# KiCad board AOML_AB_3.0_reorganized-v2.kicad_pcb
title: XBT Autolauncher 3.0; rev: 1; company: NOAA/AOML; note: Christian Saiz
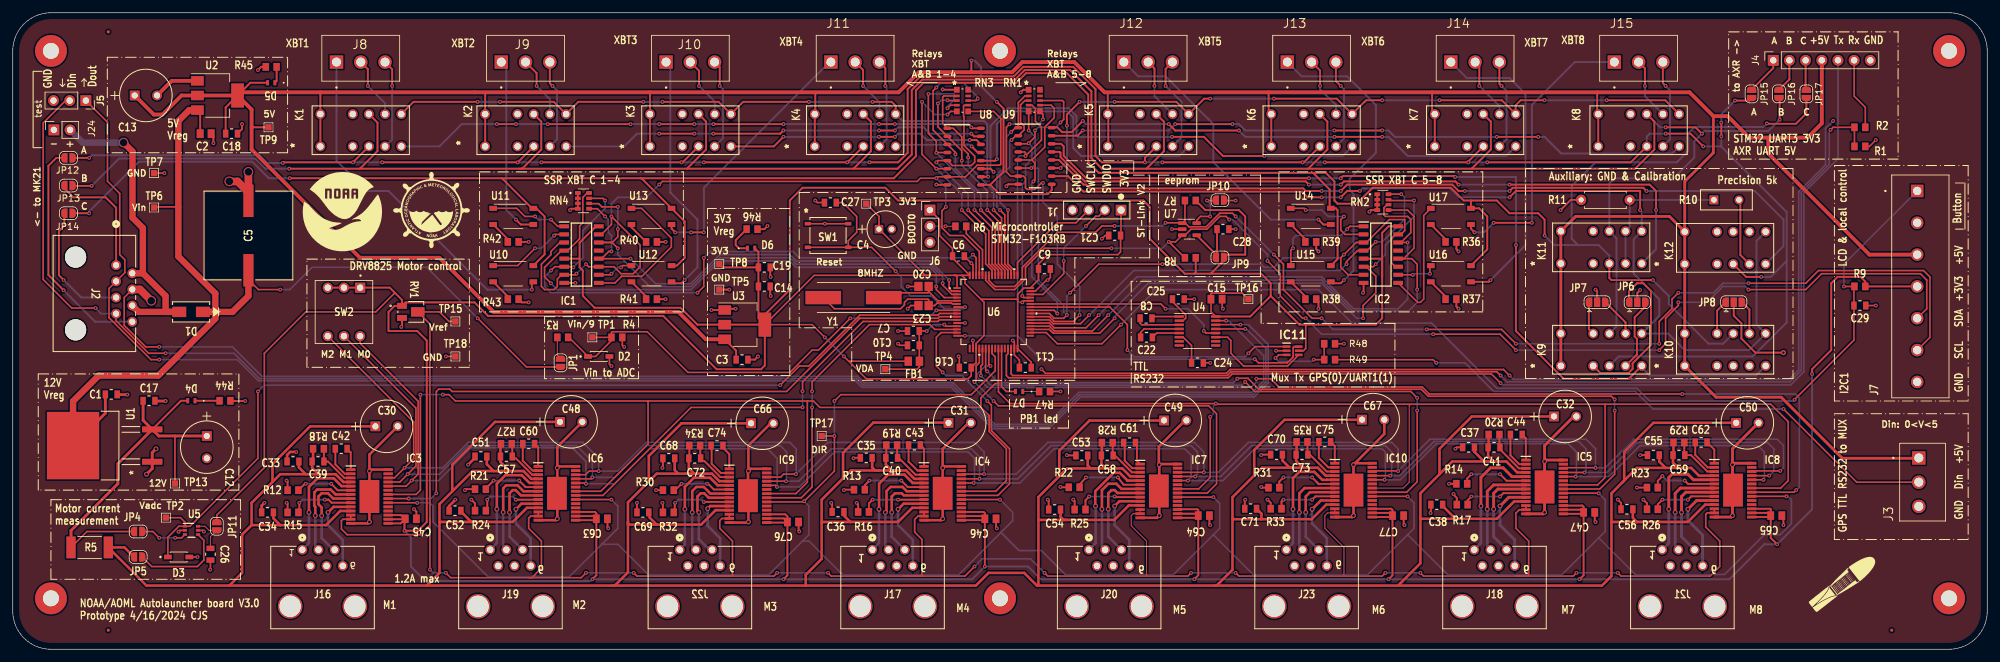
[diagram p0: board, top side]
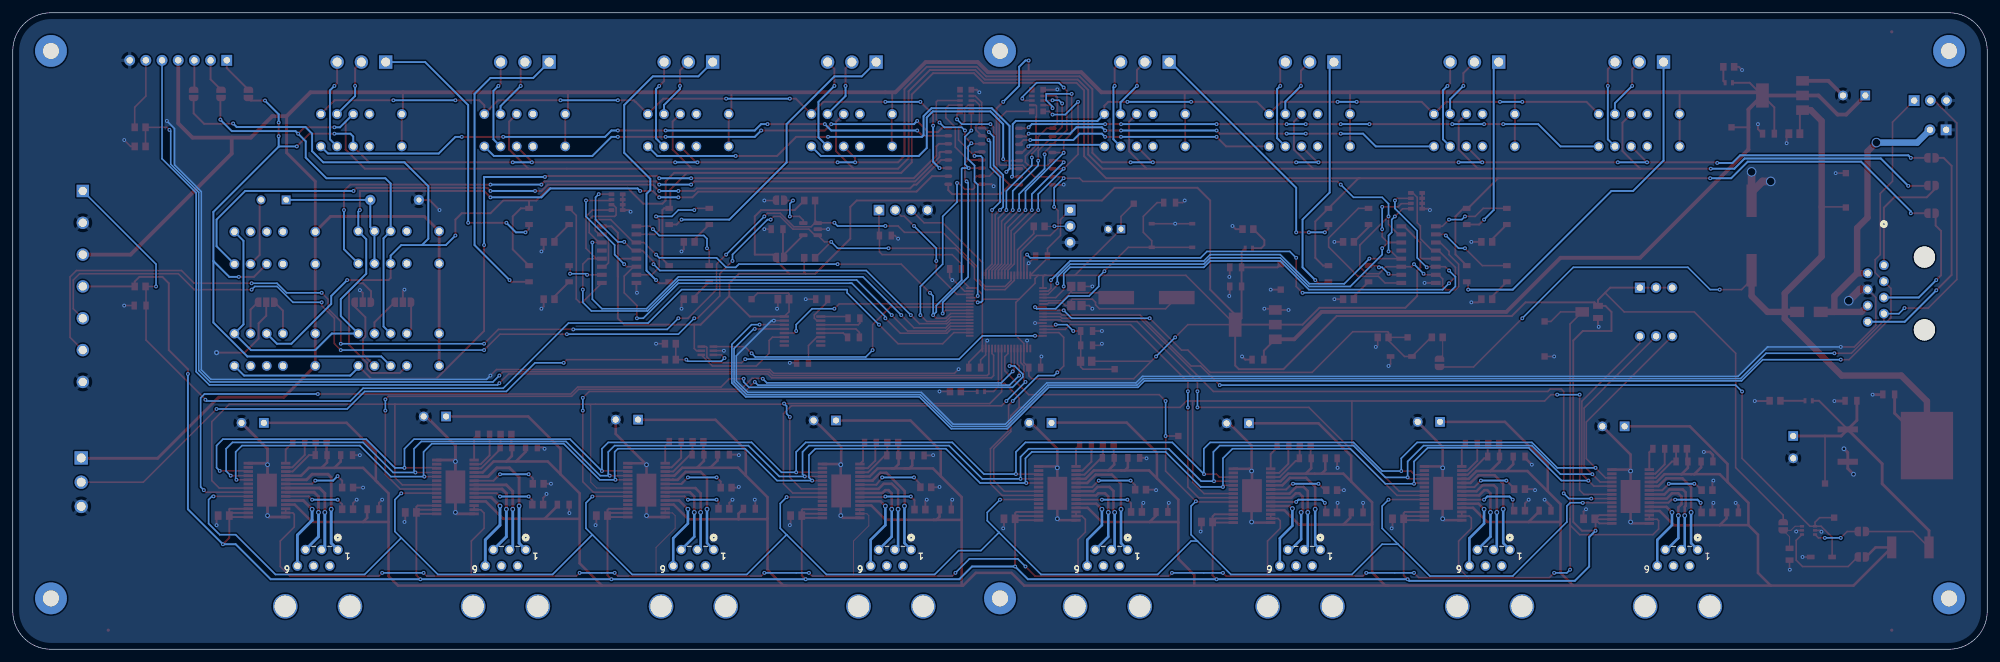
[diagram p1: board, bottom side, seen from below]

Outline 310 x 100 mm; copper layers: Top, Bottom. Coordinates in mm from the lower left corner of the outline.
Outline path: 0,94 arc(1.76,98.24) 6,100 304,100 arc(308.24,98.24) 310,94 310,6 arc(308.24,1.76) 304,0 6,0 arc(1.76,1.76) 0,6 0,94
Stack: Top 0.035mm / dielectric 1.51mm FR4 er 4.5 / Bottom 0.035mm

## Placement (name value [footprint] x y rotation side)
C1  0.33u  [CAP_CL21_SAM]  15.47 40.04 0 top
C2  0.22u  [CAPC2012X135N]  30.29 81 0 top
C3  1u  [CAP_CL21_SAM]  114.5 45.5 0 top
C4  10u  [CAP_WCAP-ATG5_05.0X11.0_WRE]  136 66 0 top
C5  1000u  [CAP_EEV_H13_PAN]  37 65 90 top
C6  0.1u  [CAP_CL21_SAM]  148.47 61.75 0 top
C7  0.1u  [CAP_CL21_SAM]  141.4 50 180 top
C8  0.1u  [CAP_CL21_SAM]  177.93 52 180 top
C9  0.1u  [CAP_CL21_SAM]  161.97 59.75 0 top
C10  1u  [CAP_CL21_SAM]  141.4 47.75 180 top
C11  0.1u  [CAP_CL21_SAM]  158.97 44.25 180 top
C12  100u  [PCAP_8x112_PAN]  30.47 33.51 270 top
C13  100u  [PCAP_8x112_PAN]  19.15 87 0 top
C14  1u  [CAP_CL21_SAM]  118 57 0 top
C15  0.47u  [CAP_CL_21_SAM]  189 55 0 top
C16  0.1u  [CAP_CL21_SAM]  149.55 44.25 180 top
C17  0.1u  [CAP_CL21_SAM]  21.4 39.04 0 top
C18  0.1u  [CAP_CL21_SAM]  34.36 81 0 top
C19  0.1u  [CAP_CL21_SAM]  118 60 0 top
C20  20p  [CAPC220145_88N_KEM]  143 57 180 top
C21  0.1u  [CAP_CL21_SAM]  173 65 180 top
C22  0.1u  [CAP_CL21_SAM]  178 49 0 top
C23  20p  [CAPC220145_88N_KEM]  143 54 180 top
C24  0.1u  [CAP_CL21_SAM]  186 45 0 top
C25  0.1u  [CAP_CL21_SAM]  183 55 0 top
C26  0.1u  [CAP_CL21_SAM]  31.04 14.93 270 top
C27  0.1u  [CAP_CL21_SAM]  128.37 70.17 0 top
C28  0.1u  [CAP_CL21_SAM]  190 66 0 top
C29  0.1u  [CAP_CL21_SAM]  290 54 0 top
C30  100u  [PCAP_8x112_PAN]  56.93 35.03 0 top
C31  100u  [PCAP_8x112_PAN]  146.91 35.57 0 top
C32  100u  [PCAP_8x112_PAN]  241.98 36.57 0 top
C33  0.1u  [CAP_CL21_SAM]  44 29.5 0 top
C34  0.1u  [CAP_CL21_SAM]  40 21.5 0 top
C35  0.1u  [CAP_CL21_SAM]  134 30.07 0 top
C36  0.1u  [CAP_CL21_SAM]  129.57 21.57 0 top
C37  0.1u  [CAP_CL21_SAM]  228.56 31.72 0 top
C38  0.1u  [CAP_CL21_SAM]  223.57 22.72 0 top
C39  0.1u  [CAP_CL21_SAM]  47.93 29.5 0 top
C40  0.1u  [CAP_CL21_SAM]  138 30.07 0 top
C41  0.1u  [CAP_CL21_SAM]  232.56 31.72 0 top
C42  0.01u  [CAP_CL21_SAM]  51.57 31.5 0 top
C43  0.01u  [CAP_CL21_SAM]  141.57 32.07 0 top
C44  0.01u  [CAP_CL21_SAM]  236.06 33.72 0 top
C45  0.47u  [CAP_CL_21_SAM]  62.5 20.5 180 top
C46  0.47u  [CAP_CL_21_SAM]  153.5 20.5 180 top
C47  0.47u  [CAP_CL_21_SAM]  247.5 21.5 180 top
C48  100u  [PCAP_8x112_PAN]  85.91 35.72 0 top
C49  100u  [PCAP_8x112_PAN]  180.76 35.95 0 top
C50  100u  [PCAP_8x112_PAN]  270.58 35.57 0 top
C51  0.1u  [CAP_CL21_SAM]  73.5 30.28 0 top
C52  0.1u  [CAP_CL21_SAM]  69.43 21.78 0 top
C53  0.1u  [CAP_CL21_SAM]  167.84 30.45 0 top
C54  0.1u  [CAP_CL21_SAM]  163.57 21.95 0 top
C55  0.1u  [CAP_CL21_SAM]  257.58 30.5 0 top
C56  0.1u  [CAP_CL21_SAM]  253.43 22 0 top
C57  0.1u  [CAP_CL21_SAM]  77.5 30.28 0 top
C58  0.1u  [CAP_CL21_SAM]  171.84 30.45 0 top
C59  0.1u  [CAP_CL21_SAM]  261.58 30.5 0 top
C60  0.01u  [CAP_CL21_SAM]  81 32.28 0 top
C61  0.01u  [CAP_CL21_SAM]  175.34 32.45 0 top
C62  0.01u  [CAP_CL21_SAM]  265.08 32.5 0 top
C63  0.47u  [CAP_CL_21_SAM]  92.5 20.5 180 top
C64  0.47u  [CAP_CL_21_SAM]  187 21 180 top
C65  0.47u  [CAP_CL_21_SAM]  276.88 21 180 top
C66  100u  [PCAP_8x112_PAN]  115.91 35.5 0 top
C67  100u  [PCAP_8x112_PAN]  211.83 36.07 0 top
C68  0.1u  [CAP_CL21_SAM]  103 30 0 top
C69  0.1u  [CAP_CL21_SAM]  98.93 21.5 0 top
C70  0.1u  [CAP_CL21_SAM]  198.41 30.57 0 top
C71  0.1u  [CAP_CL21_SAM]  194.35 22.07 0 top
C72  0.1u  [CAP_CL21_SAM]  107.07 30 0 top
C73  0.1u  [CAP_CL21_SAM]  202.41 30.57 0 top
C74  0.01u  [CAP_CL21_SAM]  110.57 32 0 top
C75  0.01u  [CAP_CL21_SAM]  205.99 32.57 0 top
C76  0.47u  [CAP_CL_21_SAM]  122.5 20 180 top
C77  0.47u  [CAP_CL_21_SAM]  217.5 21 180 top
D1  B340AE-13  [CR_SMA_320-340AE_DIO]  28 53 180 top
D2  3.3V  [SOD3715X135N]  92 46 0 top
D3  3.3V  [SOD3715X135N]  26.04 14.5 0 top
D4  green-led  [LED_B1911PG--20D000514U1930_HVK]  28.04 39.04 180 top
D5  green-led  [LED_B1911PG--20D000514U1930_HVK]  40.58 89 180 top
D6  green-led  [LED_B1911PG--20D000514U1930_HVK]  115.93 63 0 top
D7  green-led  [LED_B1911PG--20D000514U1930_HVK]  158 40.5 180 top
FB1  100  [IND_25_0805_FRT]  141.47 45.25 0 top
fid1  -  [Fiducial_0.5mm_Mask1mm]  15 3 0 top
fid2  -  [Fiducial_0.5mm_Mask1mm]  15 97 0 top
fid3  -  [Fiducial_0.5mm_Mask1mm]  295 3 0 top
G***  LOGO  [AOML_logo]  65.75 69 0 top
G***#2  LOGO  [xbt]  287.45 9.74 180 top
G***#3  LOGO  [NOAA_logo]  51.75 68.75 0 top
H1  MountingHole  [MountingHole_2.5mm_Pad]  6 94 0 top
H2  MountingHole  [MountingHole_2.5mm_Pad]  155 94 0 top
H3  MountingHole  [MountingHole_2.5mm_Pad]  6 8 0 top
H4  MountingHole  [MountingHole_2.5mm_Pad]  155 8 0 top
H5  MountingHole  [MountingHole_2.5mm_Pad]  304 94 0 top
H6  MountingHole  [MountingHole_2.5mm_Pad]  304 8 0 top
IC1  CD4043BDR  [SOIC127P600X175-16N]  89.29 62 0 top
IC2  CD4043BDR  [SOIC127P600X175-16N]  214.8 62 0 top
IC3  DRV8825PWPR  [SOP65P640X120-29N]  56 24 0 top
IC4  DRV8825PWPR  [SOP65P640X120-29N]  146 24.5 0 top
IC5  DRV8825PWPR  [SOP65P640X120-29N]  240.5 25.5 0 top
IC6  DRV8825PWPR  [SOP65P640X120-29N]  85.44 24.5 0 top
IC7  DRV8825PWPR  [SOP65P640X120-29N]  179.94 24.88 0 top
IC8  DRV8825PWPR  [SOP65P640X120-29N]  270.08 25 0 top
IC9  DRV8825PWPR  [SOP65P640X120-29N]  115.44 24.13 0 top
IC10  DRV8825PWPR  [SOP65P640X120-29N]  210.5 25 0 top
IC11  SN74LVC1G3157DCKR  [SOT65P210X110-6N]  200.95 46.9 0 top
J1  Conn_01x04  [CONN_61300411121_WRE]  174 69 180 top
J2  216550-1  [CONN_216550-1_TEC]  16.23 60.34 270 top
J3  Conn_01x03  [CUI_TBP02R2-381-03BE]  299.25 30.06 270 top
J4  Conn_01x07  [PinSocket_1x07_P2.54mm_Vertical]  276.4 92.53 90 top
J5  Conn_01x03  [PinSocket_1x03_P2.54mm_Vertical]  11.48 86.2 270 top
J6  Conn_01x03  [PinHeader_1x03_P2.54mm_Vertical]  144 69 0 top
J7  Screw_Terminal_01x07  [CUI_TB001-500-07BE]  299 72 270 top
J8  Conn_01x03  [CUI_TBP02R2-381-03BE]  50.83 92.25 0 top
J9  Conn_01x03  [CUI_TBP02R2-381-03BE]  76.7 92.25 0 top
J10  Conn_01x03  [CUI_TBP02R2-381-03BE]  102.57 92.25 0 top
J11  Conn_01x03  [CUI_TBP02R2-381-03BE]  128.45 92.25 0 top
J12  Conn_01x03  [CUI_TBP02R2-381-03BE]  174.45 92.25 0 top
J13  Conn_01x03  [CUI_TBP02R2-381-03BE]  200.12 92.25 0 top
J14  Conn_01x03  [CUI_TBP02R2-381-03BE]  225.78 92.25 0 top
J15  Conn_01x03  [CUI_TBP02R2-381-03BE]  251.45 92.25 0 top
J16  216548-1  [CONN_216548-1_TYC]  45.46 15.64 0 bottom
J17  216548-1  [CONN_216548-1_TYC]  134.96 15.64 0 bottom
J18  216548-1  [CONN_216548-1_TYC]  229.46 15.64 0 bottom
J19  216548-1  [CONN_216548-1_TYC]  74.96 15.64 0 bottom
J20  216548-1  [CONN_216548-1_TYC]  168.96 15.64 0 bottom
J21  216548-1  [CONN_216548-1_TYC]  258.96 15.64 0 bottom
J22  216548-1  [CONN_216548-1_TYC]  104.71 15.64 0 bottom
J23  216548-1  [CONN_216548-1_TYC]  199.96 15.64 0 bottom
J24  Conn_01x02  [PinSocket_1x02_P2.54mm_Vertical]  6.46 81.6 90 top
JP1  SolderJumper_2_Open  [SolderJumper-2_P1.3mm_Open_RoundedPad1.0x1.5mm]  86 45 270 top
JP4  SolderJumper_2_Open  [SolderJumper-2_P1.3mm_Open_RoundedPad1.0x1.5mm]  19.69 18.5 0 top
JP5  SolderJumper_2_Open  [SolderJumper-2_P1.3mm_Open_RoundedPad1.0x1.5mm]  19.69 14.5 0 top
JP6  SolderJumper_3_Open  [SolderJumper-3_P1.3mm_Open_RoundedPad1.0x1.5mm]  255.05 54.52 0 top
JP7  SolderJumper_3_Open  [SolderJumper-3_P1.3mm_Open_RoundedPad1.0x1.5mm]  248.75 54.52 0 top
JP8  SolderJumper_3_Open  [SolderJumper-3_P1.3mm_Open_RoundedPad1.0x1.5mm]  270.2 54.52 0 top
JP9  SolderJumper_2_Open  [SolderJumper-2_P1.3mm_Open_RoundedPad1.0x1.5mm]  189.53 61.55 0 top
JP10  SolderJumper_2_Open  [SolderJumper-2_P1.3mm_Open_RoundedPad1.0x1.5mm]  189.53 70.55 0 top
JP11  SolderJumper_2_Open  [SolderJumper-2_P1.3mm_Open_RoundedPad1.0x1.5mm]  32.04 19.33 270 top
JP12  SolderJumper_2_Open  [SolderJumper-2_P1.3mm_Open_RoundedPad1.0x1.5mm]  8.75 77.2 0 top
JP13  SolderJumper_2_Open  [SolderJumper-2_P1.3mm_Open_RoundedPad1.0x1.5mm]  8.75 72.85 0 top
JP14  SolderJumper_2_Open  [SolderJumper-2_P1.3mm_Open_RoundedPad1.0x1.5mm]  8.75 68.5 0 top
JP15  SolderJumper_2_Open  [SolderJumper-2_P1.3mm_Open_RoundedPad1.0x1.5mm]  273 87.25 270 top
JP16  SolderJumper_2_Open  [SolderJumper-2_P1.3mm_Open_RoundedPad1.0x1.5mm]  277.3 87.25 270 top
JP17  SolderJumper_2_Open  [SolderJumper-2_P1.3mm_Open_RoundedPad1.0x1.5mm]  281.6 87.25 270 top
K1  TX2-L2-5V  [RELAY_TX2_L2_PAN]  48.3 79 90 top
K2  TX2-L2-5V  [RELAY_TX2_L2_PAN]  74.17 79 90 top
K3  TX2-L2-5V  [RELAY_TX2_L2_PAN]  100.05 79 90 top
K4  TX2-L2-5V  [RELAY_TX2_L2_PAN]  125.92 79 90 top
K5  TX2-L2-5V  [RELAY_TX2_L2_PAN]  171.92 79 90 top
K6  TX2-L2-5V  [RELAY_TX2_L2_PAN]  197.59 79 90 top
K7  TX2-L2-5V  [RELAY_TX2_L2_PAN]  223.26 79 90 top
K8  TX2-L2-5V  [RELAY_TX2_L2_PAN]  248.92 79 90 top
K9  TX2-L2-5V  [RELAY_TX2_L2_PAN]  243.05 44.52 90 top
K10  TX2-L2-5V  [RELAY_TX2_L2_PAN]  262.5 44.52 90 top
K11  TX2-L2-5V  [RELAY_TX2_L2_PAN]  243.05 60.6 90 top
K12  TX2-L2-5V  [RELAY_TX2_L2_PAN]  262.5 60.52 90 top
R1  6.8k  [RC0805N_YAG]  290 79 0 top
R2  3.3k  [RC0805N_YAG]  290 82 0 top
R3  47k  [RC0805N_YAG]  86.35 49 180 top
R4  5.1k  [RC0805N_YAG]  94.85 49 0 top
R5  0.1  [RESC6331X89N]  12.07 16 180 top
R6  10k  [RC0805N_YAG]  148.85 66.44 0 top
R7  4.7k  [RC0805N_YAG]  184.88 70.5 180 top
R8  4.7k  [RC0805N_YAG]  184.88 61.5 180 top
R9  10k  [RC0805N_YAG]  290 57 0 top
R10  5k  [Y1453_VIS]  267.08 70.6 0 top
R11  15k  [R_Axial_DIN0207_L6.3mm_D2.5mm_P7.62mm_Horizontal]  246.24 70.6 0 top
R12  1  [RC0805N_YAG]  44 25 0 top
R13  1  [RC0805N_YAG]  132.93 25.07 0 top
R14  1  [RC0805N_YAG]  227.5 26 0 top
R15  1  [RC0805N_YAG]  44 21.5 0 top
R16  1  [RC0805N_YAG]  133.57 21.57 0 top
R17  1  [RC0805N_YAG]  227.57 22.72 0 top
R18  1M  [RC0805N_YAG]  48 31.5 180 top
R19  1M  [RC0805N_YAG]  138 32.07 180 top
R20  1M  [RC0805N_YAG]  232.56 33.72 180 top
R21  1  [RC0805N_YAG]  73.43 25.16 0 top
R22  1  [RC0805N_YAG]  166.65 25.45 0 top
R23  1  [RC0805N_YAG]  257.43 25.4 0 top
R24  1  [RC0805N_YAG]  73.43 21.78 0 top
R25  1  [RC0805N_YAG]  167.57 21.95 0 top
R26  1  [RC0805N_YAG]  257.43 22 0 top
R27  1M  [RC0805N_YAG]  77.5 32.28 180 top
R28  1M  [RC0805N_YAG]  171.84 32.45 180 top
R29  1M  [RC0805N_YAG]  261.58 32.5 180 top
R30  1  [RC0805N_YAG]  102.93 25 0 top
R31  1  [RC0805N_YAG]  198 25.39 0 top
R32  1  [RC0805N_YAG]  102.93 21.5 0 top
R33  1  [RC0805N_YAG]  198.35 22.07 0 top
R34  1M  [RC0805N_YAG]  107.07 32 180 top
R35  1M  [RC0805N_YAG]  202.41 32.57 180 top
R36  330  [RC0805N_YAG]  225.8 64 0 top
R37  330  [RC0805N_YAG]  225.8 55 0 top
R38  330  [RC0805N_YAG]  203.79 55 0 top
R39  330  [RC0805N_YAG]  203.79 64 0 top
R40  330  [RC0805N_YAG]  100.29 64 0 top
R41  330  [RC0805N_YAG]  100.29 55 0 top
R42  330  [RC0805N_YAG]  78.58 64 0 top
R43  330  [RC0805N_YAG]  78.58 55 0 top
R44  2k  [RC0805N_YAG]  33.32 39.04 180 top
R45  560  [RC0805N_YAG]  40.58 91.5 0 top
R46  220  [RC0805N_YAG]  116.08 66 180 top
R47  220  [RC0805N_YAG]  162 40.5 180 top
R48  6.8k  [RC0805N_YAG]  206.75 48 0 top
R49  3.3k  [RC0805N_YAG]  206.75 45.5 0 top
RN1  10k  [SMT_JR-0710KL_YAG]  160.39 86.2 0 top
RN2  10k  [RESCAXS80P320X160X70-8N]  215.12 70.24 0 top
RN3  10k  [SMT_JR-0710KL_YAG]  149.11 86.2 0 top
RN4  10k  [RESCAXS80P320X160X70-8N]  89.61 70.44 0 top
RV1  10k  [POT_TC33_3X3P8_BRN]  62.5 53 270 top
SW1  TS02-66-70-BK-160-LCR-D  [SMT_FS]  128 65 0 top
SW2  SW_DIP_x03  [SW_DS01C-254-L-03BE]  52 53 180 top
TP1  Vin-adc  [TestPoint_Pad_1.0x1.0mm]  91 49 0 top
TP2  MotorCurrent-adc  [TestPoint_Pad_1.0x1.0mm]  24.04 20.68 0 top
TP3  D3V3  [TestPoint_Pad_1.0x1.0mm]  134 70 0 top
TP4  A3V3  [TestPoint_Pad_1.0x1.0mm]  137 44 0 top
TP5  GND  [TestPoint_Pad_1.0x1.0mm]  110.93 56.5 0 top
TP6  Vin  [TestPoint_Pad_1.0x1.0mm]  22.2 69.4 0 top
TP7  GND  [TestPoint_Pad_1.0x1.0mm]  22.2 74.8 0 top
TP8  3V3  [TestPoint_Pad_1.0x1.0mm]  110.93 60.5 0 top
TP9  5V  [TestPoint_Pad_1.0x1.0mm]  40.15 82 0 top
TP13  12V  [TestPoint_Pad_1.0x1.0mm]  25.47 26.04 0 top
TP15  Vref  [TestPoint_Pad_1.0x1.0mm]  69.5 51.5 0 top
TP16  3V3  [TestPoint_Pad_1.0x1.0mm]  194 55 0 top
TP17  DIR  [TestPoint_Pad_1.0x1.0mm]  127 33.5 0 top
TP18  GND  [TestPoint_Pad_1.0x1.0mm]  69.5 46 0 top
U1  L7812ABD2T-TR  [DPAK_BD2T-TR_STM]  12.05 32 90 top
U2  LM7805MPX  [SOT-223-3_TabPin2]  32.15 87 0 top
U3  MCP1825ST-3302E/DB  [SOT-223-3_TabPin2]  114.93 51 0 top
U4  MAX3232  [TSSOP-16_4.4x5mm_P0.65mm]  186 50 0 top
U5  INA213AIDCKR  [DCK0006A_L]  28.06 18.68 0 top
U6  STM32F103RBTx  [LQFP64-10x10mm]  154 53 0 top
U7  AT24C01D-STUM-T  [SOT-23-5]  184.74 66 0 top
U8  ULN2003ADR  [D0016A_L]  149.38 77.41 0 top
U9  ULN2003ADR  [D0016A_L]  160.5 77.5 0 top
U10  TLP170AM  [MFSOP6-4_4.4x3.6mm_P1.27mm]  78.58 59 0 top
U11  TLP170AM  [MFSOP6-4_4.4x3.6mm_P1.27mm]  78.58 68 0 top
U12  TLP170AM  [MFSOP6-4_4.4x3.6mm_P1.27mm]  100.29 59 0 top
U13  TLP170AM  [MFSOP6-4_4.4x3.6mm_P1.27mm]  100.29 68 0 top
U14  TLP170AM  [MFSOP6-4_4.4x3.6mm_P1.27mm]  203.79 68 0 top
U15  TLP170AM  [MFSOP6-4_4.4x3.6mm_P1.27mm]  203.8 59 0 top
U16  TLP170AM  [MFSOP6-4_4.4x3.6mm_P1.27mm]  225.8 59 0 top
U17  TLP170AM  [MFSOP6-4_4.4x3.6mm_P1.27mm]  225.8 68 0 top
Y1  8MHz  [XTAL_ABLS-8.000MHz-20-B-3-H-T]  132 55.25 180 top

## Library data of the parts
C1 = -: Description: Unpolarized capacitor; Cost: 0.1; Digikey: https://www.digikey.com/en/products/detail/samsung-electro-mechanics/CL21B334KBFNNNE/3886781; Part: CL21B334KBFNNNE
C2 = -: Description: Unpolarized capacitor; Cost: 0.1; Digikey: https://www.digikey.com/en/products/detail/samsung-electro-mechanics/CL21B224KBFNNNE/3886751; Part: CL21B224KBFNNNE
C3 C10 C14 = -: Description: Unpolarized capacitor; Cost: 0.11; Digikey: https://www.digikey.com/en/products/detail/samsung-electro-mechanics/CL21B105KBFNNNE/3886687; Part: CL21B105KBFNNNE
C4 = -: Description: Polarized capacitor; Cost: 0.1; Digikey: https://www.digikey.com/en/products/detail/w%C3%BCrth-elektronik/860020572003/5727172; Part: 860020572003
C5 = -: Description: Polarized capacitor; Cost: 1.23; Digikey: https://www.digikey.com/en/products/detail/panasonic-electronic-components/EEV-FK1E102Q/396274; Part: EEV-FK1E102Q
C6-C9 C11 C16-C19 C21 C22 C24-C29 = -: Description: Unpolarized capacitor; Cost: 0.1; Digikey: https://www.digikey.com/en/products/detail/samsung-electro-mechanics/CL21B104KBCNNNC/3886661; Part: CL21B104KBCNNNC
C12 C13 C30-C32 C48-C50 C66 C67 = -: Description: Polarized capacitor; Cost: 0.39; Digikey: https://www.digikey.com/en/products/detail/panasonic-electronic-components/ECA-1HM101/245041; Part: ECA-1HM101
C15 = -: Description: Unpolarized capacitor; Cost: 0.1; Digikey: https://www.digikey.com/en/products/detail/samsung-electro-mechanics/CL21B474KBFNNNG/3894539; Part: CL21B474KBFNNNG
C20 C23 = -: Description: Unpolarized capacitor; Cost: 0.27; Digikey: https://www.digikey.com/en/products/detail/kemet/C0805C200J5GAC7800/2212144; Part: C0805C200J5GAC7800
C33-C41 C51-C59 C68-C73 = -: Description: Unpolarized capacitor, small symbol; Cost: 0.1; Digikey: https://www.digikey.com/en/products/detail/samsung-electro-mechanics/CL21B104KBCNNNC/3886661; Part: CL21B104KBCNNNC
C42-C44 C60-C62 C74 C75 = -: Description: Unpolarized capacitor, small symbol; Cost: 0.1; Digikey: https://www.digikey.com/en/products/detail/samsung-electro-mechanics/CL21B103KBANNNC/3886673; Part: CL21B103KBANNNC
C45-C47 C63-C65 C76 C77 = -: Description: Unpolarized capacitor, small symbol; Cost: 0.1; Digikey: https://www.digikey.com/en/products/detail/samsung-electro-mechanics/CL21B474KBFNNNG/3894539; Part: CL21B474KBFNNNG
D1 = -: Description: 30V 3A Schottky Barrier Rectifier Diode, DO-201AD; Cost: 0.37; Digikey: https://www.digikey.com/en/products/detail/diodes-incorporated/B340AE-13/7352831
D2 D3 = -: Description: Zener diode; Cost: 0.21; Digikey: https://www.digikey.com/en/products/detail/diodes-incorporated/BZT52C3V3-7-F/717734; Part: BZT52C3V3-7-F
D4-D7 = -: Description: Light emitting diode, small symbol; Cost: 0.1; Digikey: https://www.digikey.com/en/products/detail/harvatek-corporation/B1911PG-20D000514U1930/15519992; Part: B1911PG--20D000514U1930
FB1 = -: Description: Ferrite bead, small symbol; Cost: 0.1; Digikey: https://www.digikey.com/en/products/detail/fair-rite-products-corp/2508051017Y0/8594285; Part: 2508051017Y0
H1-H6 = -: Description: Mounting Hole without connection
IC1 IC2 = -: Description: CMOS Quad NOR R/S Latch with 3-State Outputs; Cost: 0.49; Digikey: https://www.digikey.com/en/products/detail/texas-instruments/CD4043BDR/1691049?s=N4IgTCBcDa4JwDYC0BmAjAFkUtSByAIiALoC%2BQA
IC3-IC10 = -: Description: 2.5A Bipolar Stepper Motor Driver with On-Chip 1/32 Microstepping Indexer (Step/Dir Ctrl); Cost: 5.65; Digikey: https://www.digikey.com/en/products/detail/texas-instruments/drv8825pwpr/2695909
IC11 = -: Description: SN74LVC1G3157DCKR, Analogue Switch Single SPDT, 3, 5V, 6-Pin, SC-70; Height: 1.1; Manufacturer_Name: Texas Instruments; Mouser Part Number: 595-SN74LVC1G3157DCK; Mouser Price/Stock: https://www.mouser.co.uk/ProductDetail/Texas-Instruments/SN74LVC1G3157DCKR?qs=PVVDbbWpW3J21wbz0QWbxg%3D%3D
J1 = -: Description: Generic connector, single row, 01x04, script generated (kicad-library-utils/schlib/autogen/connector/); Cost: 0.19; Digikey: https://www.digikey.com/en/products/detail/w%C3%BCrth-elektronik/61300411121/4846827; Part: 61300411121
J2 = -: Cost: 1.68; Digikey: https://www.digikey.com/en/products/detail/te-connectivity-amp-connectors/216550-1/1920152
J3 J8-J15 = -: Description: Generic connector, single row, 01x03, script generated (kicad-library-utils/schlib/autogen/connector/); Cost: 0.58; Digikey: https://www.digikey.com/en/products/detail/cui-devices/TBP02R2-381-03BE/10238470; Part: TBP02R2-381-03BE
J4 = -: Description: Generic connector, single row, 01x07, script generated (kicad-library-utils/schlib/autogen/connector/); Cost: 0.6; Digikey: https://www.digikey.com/en/products/detail/sullins-connector-solutions/PPTC071LFBN-RC/810146; Part: PPTC071LFBN-RC
J5 = -: Description: Generic connector, single row, 01x03, script generated (kicad-library-utils/schlib/autogen/connector/); Cost: 0.38; Digikey: https://www.digikey.com/en/products/detail/sullins-connector-solutions/PPPC031LFBN-RC/810175; Part: PPPC031LFBN-RC
J6 = -: Description: Generic connector, single row, 01x03, script generated (kicad-library-utils/schlib/autogen/connector/); Cost: 0.1; Digikey: https://www.digikey.com/en/products/detail/adam-tech/PH1-03-UA/9830289; Part: PH1-03-UA
J7 = -: Description: Generic screw terminal, single row, 01x07, script generated (kicad-library-utils/schlib/autogen/connector/); Cost: 0.96; Digikey: https://www.digikey.com/en/products/detail/cui-devices/TB001-500-07BE/10064063; Part: TB001-500-07BE
J16-J18 J20 J22 J23 = -: Description: Generic connector, single row, 01x06, script generated (kicad-library-utils/schlib/autogen/connector/); Cost: 1.76; Digikey: https://www.digikey.com/en/products/detail/te-connectivity-amp-connectors/216548-1/1920151; Field7: 1; Field8: 6
J19 = -: Description: Generic connector, single row, 01x06, script generated (kicad-library-utils/schlib/autogen/connector/); Cost: 1.76; Digikey: https://www.digikey.com/en/products/detail/te-connectivity-amp-connectors/216548-1/1920151; Field7: 6; Field8: 1
J21 = -: Description: Generic connector, single row, 01x06, script generated (kicad-library-utils/schlib/autogen/connector/); Cost: 1.76; Digikey: https://www.digikey.com/en/products/detail/te-connectivity-amp-connectors/216548-1/1920151; Field7: 6
J24 = -: Description: Generic connector, single row, 01x02, script generated (kicad-library-utils/schlib/autogen/connector/); Cost: 0.34; Digikey: https://www.digikey.com/en/products/detail/sullins-connector-solutions/PPPC021LFBN-RC/810174; Part: PPPC021LFBN-RC
JP1 JP4 JP5 JP9-JP17 = -: Description: Solder Jumper, 2-pole, open
JP6-JP8 = -: Description: Solder Jumper, 3-pole, open
K1-K12 = -: Description: DPDT PCB Mount Latching Relay 2 A, 5V dc For Use In Telecommunications Applications; Cost: 3.61; Digikey: https://www.digikey.com/en/products/detail/panasonic-electric-works/TX2-L2-5V/570921
R1 R48 = -: Description: Resistor, small symbol; Cost: 0.1; Digikey: https://www.digikey.com/en/products/detail/yageo/RT0805FRE076K8L/1079385; Part: RT0805FRE076K8L
R2 R49 = -: Description: Resistor, small symbol; Cost: 0.1; Digikey: https://www.digikey.com/en/products/detail/yageo/RT0805FRE073K3L/1079226; Part: RT0805FRE073K3L
R3 = -: Description: Resistor, small symbol; Cost: 0.1; Digikey: https://www.digikey.com/en/products/detail/yageo/RT0805FRE0747KL/1079274; Part: RT0805FRE0747KL
R4 = -: Description: Resistor, small symbol; Cost: 0.1; Digikey: https://www.digikey.com/en/products/detail/yageo/RT0805FRE075K1L/1079334; Part: RT0805FRE075K1L
R5 = -: Description: Resistor; Cost: 0.6; Digikey: https://www.digikey.com/en/products/detail/yageo/PE2512FKE070R1L/5138678; Part: PE2512FKE070R1L
R6 R9 = -: Description: Resistor; Cost: 0.1; Digikey: https://www.digikey.com/en/products/detail/yageo/RT0805FRE0710KL/1078908; Part: RT0805FRE0710KL
R7 R8 = -: Description: Resistor, small symbol; Cost: 0.1; Digikey: https://www.digikey.com/en/products/detail/yageo/RT0805FRE074K7L/1079294; Part: RT0805FRE074K7L
R10 = -: Description: Resistor, small symbol; Cost: 38.87; Digikey: https://www.digikey.com/en/products/detail/vpg-foil-resistors/Y14535K00000V9L/2609897; Part: Y14535K00000V9L
R11 = -: Description: Resistor, small symbol; Cost: 0.1; Digikey: https://www.digikey.com/en/products/detail/yageo/CFR-25JR-52-15K/12002; Part: CFR-25JR-52-15K
R12-R17 R21-R26 R30-R33 = -: Description: Resistor, small symbol; Cost: 0.1; Digikey: https://www.digikey.com/en/products/detail/yageo/RT0805FRE071RL/5934333; Part: RT0805FRE071RL
R18-R20 R27-R29 R34 R35 = -: Description: Resistor, small symbol; Cost: 0.1; Digikey: https://www.digikey.com/en/products/detail/yageo/RC0805FR-131ML/14008312; Part: RC0805FR-131ML
R36-R43 = -: Description: Resistor, small symbol; Cost: 0.1; Digikey: https://www.digikey.com/en/products/detail/yageo/RC0805FR-10330RL/13694160; Part: RC0805FR-10330RL
R44 = -: Description: Resistor, small symbol; Cost: 0.1; Digikey: https://www.digikey.com/en/products/detail/yageo/RC0805FR-132KL/14008253; Part: RC0805FR-132KL
R45 = -: Description: Resistor, small symbol; Cost: 0.1; Digikey: https://www.digikey.com/en/products/detail/yageo/RC0805JR-07560RL/728347; Part: RC0805JR-07560RL
R46 R47 = -: Description: Resistor, small symbol; Cost: 0.1; Digikey: https://www.digikey.com/en/products/detail/yageo/RC0805FR-13220RL/14008293; Part: RC0805FR-13220RL
RN1 RN3 = -: Description: 8 resistor network, star topology, bussed resistors, small symbol; Cost: 0.14; Digikey: https://www.digikey.com/en/products/detail/yageo/YC158TJR-0710KL/5951826; Part: YC158TJR-0710KL
RN2 RN4 = -: Description: 4 resistor network, parallel topology; Cost: 0.1; Digikey: https://www.digikey.com/en/products/detail/yageo/YC164-JR-1310KL/17023153?s=N4IgTCBcDaIJ4GMCMA2ALAWgFYCcNIGYkAGAawBsQBdAXyA; Part: YC164-JR-1310KL
RV1 = -: Description: Potentiometer; Cost: 0.28; Digikey: https://www.digikey.com/en/products/detail/bourns-inc/TC33X-2-103E/612858; Part: TC33X-2-103E
SW1 = -: Description: MEC 5E single pole normally-open tactile switch; Cost: 0.14; Digikey: https://www.digikey.com/en/products/detail/c-k/PTS526-SK15-SMTR2-LFS/10056626; Part: PTS526 SK15 SMTR2 LFS
SW2 = -: Description: 3x DIP Switch, Single Pole Single Throw (SPST) switch, small symbol; Cost: 0.57; Digikey: https://www.digikey.com/en/products/detail/cui-devices/DS01C-254-L-03BE/11310858; Part: DS01C-254-L-03BE
TP1-TP9 TP13 TP15-TP18 = -: Description: test point
U1 = -: Description: 1A Low Dropout regulator, positive, 5.0V fixed output, SOT-223; Cost: 1.1; Digikey: https://www.digikey.com/en/products/detail/stmicroelectronics/L7812ABD2T-TR/1038261
U2 = -: Description: 1A Low Dropout regulator, positive, 5.0V fixed output, SOT-223; Cost: 1.61; Digikey: https://www.digikey.com/en/products/detail/texas-instruments/LM7805MPX-NOPB/6110583; Part: LM7805MPX/NOPB